# KiCad board demomatrix.kicad_pcb (continued)
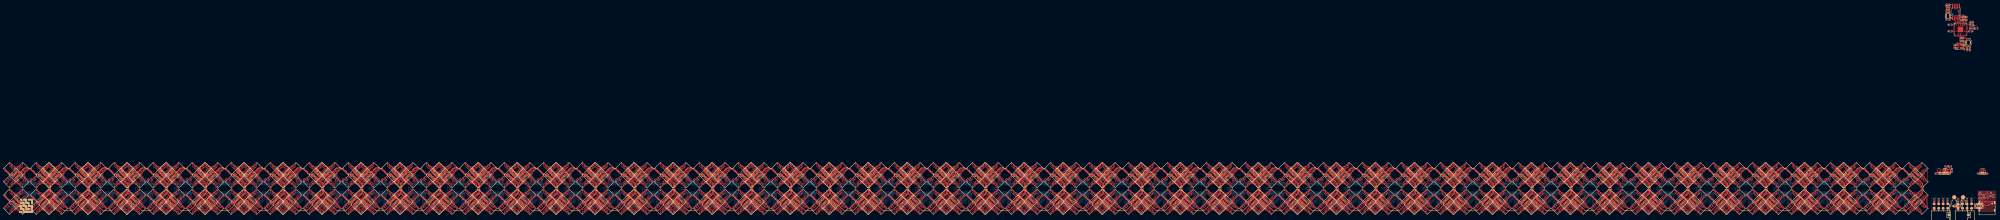
[diagram p0: board, top side]
## Library data of the parts (continued)
LED204 = -: LCSC: C22470444; Manufacturer: HONGLITRONIC); Partnumber: HL-5050RGBW-S1-A27; atopile_address: clusters[12].rows[1].pixels[0].rgbs[3].rgbw.package; atopile_subaddresses: [elec/layout/cluster2x2/cluster2x2.kicad_pcb:rows[1].pixels[0].rgbs[3].rgbw.package, elec/layout/pixel15hl5050/pixel15hl5050.kicad_pcb:rgbs[3].rgbw.package, elec/layout/row2/row2.kicad_pcb:pixels[0].rgbs[3].rgbw.package]
LED205 = -: LCSC: C22470444; Manufacturer: HONGLITRONIC); Partnumber: HL-5050RGBW-S1-A27; atopile_address: clusters[12].rows[1].pixels[1].rgbs[0].rgbw.package; atopile_subaddresses: [elec/layout/cluster2x2/cluster2x2.kicad_pcb:rows[1].pixels[1].rgbs[0].rgbw.package, elec/layout/pixel15hl5050/pixel15hl5050.kicad_pcb:rgbs[0].rgbw.package, elec/layout/row2/row2.kicad_pcb:pixels[1].rgbs[0].rgbw.package]
LED206 = -: LCSC: C22470444; Manufacturer: HONGLITRONIC); Partnumber: HL-5050RGBW-S1-A27; atopile_address: clusters[12].rows[1].pixels[1].rgbs[1].rgbw.package; atopile_subaddresses: [elec/layout/cluster2x2/cluster2x2.kicad_pcb:rows[1].pixels[1].rgbs[1].rgbw.package, elec/layout/pixel15hl5050/pixel15hl5050.kicad_pcb:rgbs[1].rgbw.package, elec/layout/row2/row2.kicad_pcb:pixels[1].rgbs[1].rgbw.package]
LED207 = -: LCSC: C22470444; Manufacturer: HONGLITRONIC); Partnumber: HL-5050RGBW-S1-A27; atopile_address: clusters[12].rows[1].pixels[1].rgbs[2].rgbw.package; atopile_subaddresses: [elec/layout/cluster2x2/cluster2x2.kicad_pcb:rows[1].pixels[1].rgbs[2].rgbw.package, elec/layout/pixel15hl5050/pixel15hl5050.kicad_pcb:rgbs[2].rgbw.package, elec/layout/row2/row2.kicad_pcb:pixels[1].rgbs[2].rgbw.package]
LED208 = -: LCSC: C22470444; Manufacturer: HONGLITRONIC); Partnumber: HL-5050RGBW-S1-A27; atopile_address: clusters[12].rows[1].pixels[1].rgbs[3].rgbw.package; atopile_subaddresses: [elec/layout/cluster2x2/cluster2x2.kicad_pcb:rows[1].pixels[1].rgbs[3].rgbw.package, elec/layout/pixel15hl5050/pixel15hl5050.kicad_pcb:rgbs[3].rgbw.package, elec/layout/row2/row2.kicad_pcb:pixels[1].rgbs[3].rgbw.package]
LED209 = -: LCSC: C22470444; Manufacturer: HONGLITRONIC); Partnumber: HL-5050RGBW-S1-A27; atopile_address: clusters[13].rows[0].pixels[0].rgbs[0].rgbw.package; atopile_subaddresses: [elec/layout/cluster2x2/cluster2x2.kicad_pcb:rows[0].pixels[0].rgbs[0].rgbw.package, elec/layout/pixel15hl5050/pixel15hl5050.kicad_pcb:rgbs[0].rgbw.package, elec/layout/row2/row2.kicad_pcb:pixels[0].rgbs[0].rgbw.package]
LED210 = -: LCSC: C22470444; Manufacturer: HONGLITRONIC); Partnumber: HL-5050RGBW-S1-A27; atopile_address: clusters[13].rows[0].pixels[0].rgbs[1].rgbw.package; atopile_subaddresses: [elec/layout/cluster2x2/cluster2x2.kicad_pcb:rows[0].pixels[0].rgbs[1].rgbw.package, elec/layout/pixel15hl5050/pixel15hl5050.kicad_pcb:rgbs[1].rgbw.package, elec/layout/row2/row2.kicad_pcb:pixels[0].rgbs[1].rgbw.package]
LED211 = -: LCSC: C22470444; Manufacturer: HONGLITRONIC); Partnumber: HL-5050RGBW-S1-A27; atopile_address: clusters[13].rows[0].pixels[0].rgbs[2].rgbw.package; atopile_subaddresses: [elec/layout/cluster2x2/cluster2x2.kicad_pcb:rows[0].pixels[0].rgbs[2].rgbw.package, elec/layout/pixel15hl5050/pixel15hl5050.kicad_pcb:rgbs[2].rgbw.package, elec/layout/row2/row2.kicad_pcb:pixels[0].rgbs[2].rgbw.package]
LED212 = -: LCSC: C22470444; Manufacturer: HONGLITRONIC); Partnumber: HL-5050RGBW-S1-A27; atopile_address: clusters[13].rows[0].pixels[0].rgbs[3].rgbw.package; atopile_subaddresses: [elec/layout/cluster2x2/cluster2x2.kicad_pcb:rows[0].pixels[0].rgbs[3].rgbw.package, elec/layout/pixel15hl5050/pixel15hl5050.kicad_pcb:rgbs[3].rgbw.package, elec/layout/row2/row2.kicad_pcb:pixels[0].rgbs[3].rgbw.package]
LED213 = -: LCSC: C22470444; Manufacturer: HONGLITRONIC); Partnumber: HL-5050RGBW-S1-A27; atopile_address: clusters[13].rows[0].pixels[1].rgbs[0].rgbw.package; atopile_subaddresses: [elec/layout/cluster2x2/cluster2x2.kicad_pcb:rows[0].pixels[1].rgbs[0].rgbw.package, elec/layout/pixel15hl5050/pixel15hl5050.kicad_pcb:rgbs[0].rgbw.package, elec/layout/row2/row2.kicad_pcb:pixels[1].rgbs[0].rgbw.package]
LED214 = -: LCSC: C22470444; Manufacturer: HONGLITRONIC); Partnumber: HL-5050RGBW-S1-A27; atopile_address: clusters[13].rows[0].pixels[1].rgbs[1].rgbw.package; atopile_subaddresses: [elec/layout/cluster2x2/cluster2x2.kicad_pcb:rows[0].pixels[1].rgbs[1].rgbw.package, elec/layout/pixel15hl5050/pixel15hl5050.kicad_pcb:rgbs[1].rgbw.package, elec/layout/row2/row2.kicad_pcb:pixels[1].rgbs[1].rgbw.package]
LED215 = -: LCSC: C22470444; Manufacturer: HONGLITRONIC); Partnumber: HL-5050RGBW-S1-A27; atopile_address: clusters[13].rows[0].pixels[1].rgbs[2].rgbw.package; atopile_subaddresses: [elec/layout/cluster2x2/cluster2x2.kicad_pcb:rows[0].pixels[1].rgbs[2].rgbw.package, elec/layout/pixel15hl5050/pixel15hl5050.kicad_pcb:rgbs[2].rgbw.package, elec/layout/row2/row2.kicad_pcb:pixels[1].rgbs[2].rgbw.package]
LED216 = -: LCSC: C22470444; Manufacturer: HONGLITRONIC); Partnumber: HL-5050RGBW-S1-A27; atopile_address: clusters[13].rows[0].pixels[1].rgbs[3].rgbw.package; atopile_subaddresses: [elec/layout/cluster2x2/cluster2x2.kicad_pcb:rows[0].pixels[1].rgbs[3].rgbw.package, elec/layout/pixel15hl5050/pixel15hl5050.kicad_pcb:rgbs[3].rgbw.package, elec/layout/row2/row2.kicad_pcb:pixels[1].rgbs[3].rgbw.package]
LED217 = -: LCSC: C22470444; Manufacturer: HONGLITRONIC); Partnumber: HL-5050RGBW-S1-A27; atopile_address: clusters[13].rows[1].pixels[0].rgbs[0].rgbw.package; atopile_subaddresses: [elec/layout/cluster2x2/cluster2x2.kicad_pcb:rows[1].pixels[0].rgbs[0].rgbw.package, elec/layout/pixel15hl5050/pixel15hl5050.kicad_pcb:rgbs[0].rgbw.package, elec/layout/row2/row2.kicad_pcb:pixels[0].rgbs[0].rgbw.package]
LED218 = -: LCSC: C22470444; Manufacturer: HONGLITRONIC); Partnumber: HL-5050RGBW-S1-A27; atopile_address: clusters[13].rows[1].pixels[0].rgbs[1].rgbw.package; atopile_subaddresses: [elec/layout/cluster2x2/cluster2x2.kicad_pcb:rows[1].pixels[0].rgbs[1].rgbw.package, elec/layout/pixel15hl5050/pixel15hl5050.kicad_pcb:rgbs[1].rgbw.package, elec/layout/row2/row2.kicad_pcb:pixels[0].rgbs[1].rgbw.package]
LED219 = -: LCSC: C22470444; Manufacturer: HONGLITRONIC); Partnumber: HL-5050RGBW-S1-A27; atopile_address: clusters[13].rows[1].pixels[0].rgbs[2].rgbw.package; atopile_subaddresses: [elec/layout/cluster2x2/cluster2x2.kicad_pcb:rows[1].pixels[0].rgbs[2].rgbw.package, elec/layout/pixel15hl5050/pixel15hl5050.kicad_pcb:rgbs[2].rgbw.package, elec/layout/row2/row2.kicad_pcb:pixels[0].rgbs[2].rgbw.package]
LED220 = -: LCSC: C22470444; Manufacturer: HONGLITRONIC); Partnumber: HL-5050RGBW-S1-A27; atopile_address: clusters[13].rows[1].pixels[0].rgbs[3].rgbw.package; atopile_subaddresses: [elec/layout/cluster2x2/cluster2x2.kicad_pcb:rows[1].pixels[0].rgbs[3].rgbw.package, elec/layout/pixel15hl5050/pixel15hl5050.kicad_pcb:rgbs[3].rgbw.package, elec/layout/row2/row2.kicad_pcb:pixels[0].rgbs[3].rgbw.package]
LED221 = -: LCSC: C22470444; Manufacturer: HONGLITRONIC); Partnumber: HL-5050RGBW-S1-A27; atopile_address: clusters[13].rows[1].pixels[1].rgbs[0].rgbw.package; atopile_subaddresses: [elec/layout/cluster2x2/cluster2x2.kicad_pcb:rows[1].pixels[1].rgbs[0].rgbw.package, elec/layout/pixel15hl5050/pixel15hl5050.kicad_pcb:rgbs[0].rgbw.package, elec/layout/row2/row2.kicad_pcb:pixels[1].rgbs[0].rgbw.package]
LED222 = -: LCSC: C22470444; Manufacturer: HONGLITRONIC); Partnumber: HL-5050RGBW-S1-A27; atopile_address: clusters[13].rows[1].pixels[1].rgbs[1].rgbw.package; atopile_subaddresses: [elec/layout/cluster2x2/cluster2x2.kicad_pcb:rows[1].pixels[1].rgbs[1].rgbw.package, elec/layout/pixel15hl5050/pixel15hl5050.kicad_pcb:rgbs[1].rgbw.package, elec/layout/row2/row2.kicad_pcb:pixels[1].rgbs[1].rgbw.package]
LED223 = -: LCSC: C22470444; Manufacturer: HONGLITRONIC); Partnumber: HL-5050RGBW-S1-A27; atopile_address: clusters[13].rows[1].pixels[1].rgbs[2].rgbw.package; atopile_subaddresses: [elec/layout/cluster2x2/cluster2x2.kicad_pcb:rows[1].pixels[1].rgbs[2].rgbw.package, elec/layout/pixel15hl5050/pixel15hl5050.kicad_pcb:rgbs[2].rgbw.package, elec/layout/row2/row2.kicad_pcb:pixels[1].rgbs[2].rgbw.package]
LED224 = -: LCSC: C22470444; Manufacturer: HONGLITRONIC); Partnumber: HL-5050RGBW-S1-A27; atopile_address: clusters[13].rows[1].pixels[1].rgbs[3].rgbw.package; atopile_subaddresses: [elec/layout/cluster2x2/cluster2x2.kicad_pcb:rows[1].pixels[1].rgbs[3].rgbw.package, elec/layout/pixel15hl5050/pixel15hl5050.kicad_pcb:rgbs[3].rgbw.package, elec/layout/row2/row2.kicad_pcb:pixels[1].rgbs[3].rgbw.package]
LED225 = -: LCSC: C22470444; Manufacturer: HONGLITRONIC); Partnumber: HL-5050RGBW-S1-A27; atopile_address: clusters[14].rows[0].pixels[0].rgbs[0].rgbw.package; atopile_subaddresses: [elec/layout/cluster2x2/cluster2x2.kicad_pcb:rows[0].pixels[0].rgbs[0].rgbw.package, elec/layout/pixel15hl5050/pixel15hl5050.kicad_pcb:rgbs[0].rgbw.package, elec/layout/row2/row2.kicad_pcb:pixels[0].rgbs[0].rgbw.package]
LED226 = -: LCSC: C22470444; Manufacturer: HONGLITRONIC); Partnumber: HL-5050RGBW-S1-A27; atopile_address: clusters[14].rows[0].pixels[0].rgbs[1].rgbw.package; atopile_subaddresses: [elec/layout/cluster2x2/cluster2x2.kicad_pcb:rows[0].pixels[0].rgbs[1].rgbw.package, elec/layout/pixel15hl5050/pixel15hl5050.kicad_pcb:rgbs[1].rgbw.package, elec/layout/row2/row2.kicad_pcb:pixels[0].rgbs[1].rgbw.package]
LED227 = -: LCSC: C22470444; Manufacturer: HONGLITRONIC); Partnumber: HL-5050RGBW-S1-A27; atopile_address: clusters[14].rows[0].pixels[0].rgbs[2].rgbw.package; atopile_subaddresses: [elec/layout/cluster2x2/cluster2x2.kicad_pcb:rows[0].pixels[0].rgbs[2].rgbw.package, elec/layout/pixel15hl5050/pixel15hl5050.kicad_pcb:rgbs[2].rgbw.package, elec/layout/row2/row2.kicad_pcb:pixels[0].rgbs[2].rgbw.package]
LED228 = -: LCSC: C22470444; Manufacturer: HONGLITRONIC); Partnumber: HL-5050RGBW-S1-A27; atopile_address: clusters[14].rows[0].pixels[0].rgbs[3].rgbw.package; atopile_subaddresses: [elec/layout/cluster2x2/cluster2x2.kicad_pcb:rows[0].pixels[0].rgbs[3].rgbw.package, elec/layout/pixel15hl5050/pixel15hl5050.kicad_pcb:rgbs[3].rgbw.package, elec/layout/row2/row2.kicad_pcb:pixels[0].rgbs[3].rgbw.package]
LED229 = -: LCSC: C22470444; Manufacturer: HONGLITRONIC); Partnumber: HL-5050RGBW-S1-A27; atopile_address: clusters[14].rows[0].pixels[1].rgbs[0].rgbw.package; atopile_subaddresses: [elec/layout/cluster2x2/cluster2x2.kicad_pcb:rows[0].pixels[1].rgbs[0].rgbw.package, elec/layout/pixel15hl5050/pixel15hl5050.kicad_pcb:rgbs[0].rgbw.package, elec/layout/row2/row2.kicad_pcb:pixels[1].rgbs[0].rgbw.package]
LED230 = -: LCSC: C22470444; Manufacturer: HONGLITRONIC); Partnumber: HL-5050RGBW-S1-A27; atopile_address: clusters[14].rows[0].pixels[1].rgbs[1].rgbw.package; atopile_subaddresses: [elec/layout/cluster2x2/cluster2x2.kicad_pcb:rows[0].pixels[1].rgbs[1].rgbw.package, elec/layout/pixel15hl5050/pixel15hl5050.kicad_pcb:rgbs[1].rgbw.package, elec/layout/row2/row2.kicad_pcb:pixels[1].rgbs[1].rgbw.package]
LED231 = -: LCSC: C22470444; Manufacturer: HONGLITRONIC); Partnumber: HL-5050RGBW-S1-A27; atopile_address: clusters[14].rows[0].pixels[1].rgbs[2].rgbw.package; atopile_subaddresses: [elec/layout/cluster2x2/cluster2x2.kicad_pcb:rows[0].pixels[1].rgbs[2].rgbw.package, elec/layout/pixel15hl5050/pixel15hl5050.kicad_pcb:rgbs[2].rgbw.package, elec/layout/row2/row2.kicad_pcb:pixels[1].rgbs[2].rgbw.package]
LED232 = -: LCSC: C22470444; Manufacturer: HONGLITRONIC); Partnumber: HL-5050RGBW-S1-A27; atopile_address: clusters[14].rows[0].pixels[1].rgbs[3].rgbw.package; atopile_subaddresses: [elec/layout/cluster2x2/cluster2x2.kicad_pcb:rows[0].pixels[1].rgbs[3].rgbw.package, elec/layout/pixel15hl5050/pixel15hl5050.kicad_pcb:rgbs[3].rgbw.package, elec/layout/row2/row2.kicad_pcb:pixels[1].rgbs[3].rgbw.package]
LED233 = -: LCSC: C22470444; Manufacturer: HONGLITRONIC); Partnumber: HL-5050RGBW-S1-A27; atopile_address: clusters[14].rows[1].pixels[0].rgbs[0].rgbw.package; atopile_subaddresses: [elec/layout/cluster2x2/cluster2x2.kicad_pcb:rows[1].pixels[0].rgbs[0].rgbw.package, elec/layout/pixel15hl5050/pixel15hl5050.kicad_pcb:rgbs[0].rgbw.package, elec/layout/row2/row2.kicad_pcb:pixels[0].rgbs[0].rgbw.package]
LED234 = -: LCSC: C22470444; Manufacturer: HONGLITRONIC); Partnumber: HL-5050RGBW-S1-A27; atopile_address: clusters[14].rows[1].pixels[0].rgbs[1].rgbw.package; atopile_subaddresses: [elec/layout/cluster2x2/cluster2x2.kicad_pcb:rows[1].pixels[0].rgbs[1].rgbw.package, elec/layout/pixel15hl5050/pixel15hl5050.kicad_pcb:rgbs[1].rgbw.package, elec/layout/row2/row2.kicad_pcb:pixels[0].rgbs[1].rgbw.package]
LED235 = -: LCSC: C22470444; Manufacturer: HONGLITRONIC); Partnumber: HL-5050RGBW-S1-A27; atopile_address: clusters[14].rows[1].pixels[0].rgbs[2].rgbw.package; atopile_subaddresses: [elec/layout/cluster2x2/cluster2x2.kicad_pcb:rows[1].pixels[0].rgbs[2].rgbw.package, elec/layout/pixel15hl5050/pixel15hl5050.kicad_pcb:rgbs[2].rgbw.package, elec/layout/row2/row2.kicad_pcb:pixels[0].rgbs[2].rgbw.package]
LED236 = -: LCSC: C22470444; Manufacturer: HONGLITRONIC); Partnumber: HL-5050RGBW-S1-A27; atopile_address: clusters[14].rows[1].pixels[0].rgbs[3].rgbw.package; atopile_subaddresses: [elec/layout/cluster2x2/cluster2x2.kicad_pcb:rows[1].pixels[0].rgbs[3].rgbw.package, elec/layout/pixel15hl5050/pixel15hl5050.kicad_pcb:rgbs[3].rgbw.package, elec/layout/row2/row2.kicad_pcb:pixels[0].rgbs[3].rgbw.package]
LED237 = -: LCSC: C22470444; Manufacturer: HONGLITRONIC); Partnumber: HL-5050RGBW-S1-A27; atopile_address: clusters[14].rows[1].pixels[1].rgbs[0].rgbw.package; atopile_subaddresses: [elec/layout/cluster2x2/cluster2x2.kicad_pcb:rows[1].pixels[1].rgbs[0].rgbw.package, elec/layout/pixel15hl5050/pixel15hl5050.kicad_pcb:rgbs[0].rgbw.package, elec/layout/row2/row2.kicad_pcb:pixels[1].rgbs[0].rgbw.package]
LED238 = -: LCSC: C22470444; Manufacturer: HONGLITRONIC); Partnumber: HL-5050RGBW-S1-A27; atopile_address: clusters[14].rows[1].pixels[1].rgbs[1].rgbw.package; atopile_subaddresses: [elec/layout/cluster2x2/cluster2x2.kicad_pcb:rows[1].pixels[1].rgbs[1].rgbw.package, elec/layout/pixel15hl5050/pixel15hl5050.kicad_pcb:rgbs[1].rgbw.package, elec/layout/row2/row2.kicad_pcb:pixels[1].rgbs[1].rgbw.package]
LED239 = -: LCSC: C22470444; Manufacturer: HONGLITRONIC); Partnumber: HL-5050RGBW-S1-A27; atopile_address: clusters[14].rows[1].pixels[1].rgbs[2].rgbw.package; atopile_subaddresses: [elec/layout/cluster2x2/cluster2x2.kicad_pcb:rows[1].pixels[1].rgbs[2].rgbw.package, elec/layout/pixel15hl5050/pixel15hl5050.kicad_pcb:rgbs[2].rgbw.package, elec/layout/row2/row2.kicad_pcb:pixels[1].rgbs[2].rgbw.package]
LED240 = -: LCSC: C22470444; Manufacturer: HONGLITRONIC); Partnumber: HL-5050RGBW-S1-A27; atopile_address: clusters[14].rows[1].pixels[1].rgbs[3].rgbw.package; atopile_subaddresses: [elec/layout/cluster2x2/cluster2x2.kicad_pcb:rows[1].pixels[1].rgbs[3].rgbw.package, elec/layout/pixel15hl5050/pixel15hl5050.kicad_pcb:rgbs[3].rgbw.package, elec/layout/row2/row2.kicad_pcb:pixels[1].rgbs[3].rgbw.package]
LED241 = -: LCSC: C22470444; Manufacturer: HONGLITRONIC); Partnumber: HL-5050RGBW-S1-A27; atopile_address: clusters[15].rows[0].pixels[0].rgbs[0].rgbw.package; atopile_subaddresses: [elec/layout/cluster2x2/cluster2x2.kicad_pcb:rows[0].pixels[0].rgbs[0].rgbw.package, elec/layout/pixel15hl5050/pixel15hl5050.kicad_pcb:rgbs[0].rgbw.package, elec/layout/row2/row2.kicad_pcb:pixels[0].rgbs[0].rgbw.package]
LED242 = -: LCSC: C22470444; Manufacturer: HONGLITRONIC); Partnumber: HL-5050RGBW-S1-A27; atopile_address: clusters[15].rows[0].pixels[0].rgbs[1].rgbw.package; atopile_subaddresses: [elec/layout/cluster2x2/cluster2x2.kicad_pcb:rows[0].pixels[0].rgbs[1].rgbw.package, elec/layout/pixel15hl5050/pixel15hl5050.kicad_pcb:rgbs[1].rgbw.package, elec/layout/row2/row2.kicad_pcb:pixels[0].rgbs[1].rgbw.package]
LED243 = -: LCSC: C22470444; Manufacturer: HONGLITRONIC); Partnumber: HL-5050RGBW-S1-A27; atopile_address: clusters[15].rows[0].pixels[0].rgbs[2].rgbw.package; atopile_subaddresses: [elec/layout/cluster2x2/cluster2x2.kicad_pcb:rows[0].pixels[0].rgbs[2].rgbw.package, elec/layout/pixel15hl5050/pixel15hl5050.kicad_pcb:rgbs[2].rgbw.package, elec/layout/row2/row2.kicad_pcb:pixels[0].rgbs[2].rgbw.package]
LED244 = -: LCSC: C22470444; Manufacturer: HONGLITRONIC); Partnumber: HL-5050RGBW-S1-A27; atopile_address: clusters[15].rows[0].pixels[0].rgbs[3].rgbw.package; atopile_subaddresses: [elec/layout/cluster2x2/cluster2x2.kicad_pcb:rows[0].pixels[0].rgbs[3].rgbw.package, elec/layout/pixel15hl5050/pixel15hl5050.kicad_pcb:rgbs[3].rgbw.package, elec/layout/row2/row2.kicad_pcb:pixels[0].rgbs[3].rgbw.package]
LED245 = -: LCSC: C22470444; Manufacturer: HONGLITRONIC); Partnumber: HL-5050RGBW-S1-A27; atopile_address: clusters[15].rows[0].pixels[1].rgbs[0].rgbw.package; atopile_subaddresses: [elec/layout/cluster2x2/cluster2x2.kicad_pcb:rows[0].pixels[1].rgbs[0].rgbw.package, elec/layout/pixel15hl5050/pixel15hl5050.kicad_pcb:rgbs[0].rgbw.package, elec/layout/row2/row2.kicad_pcb:pixels[1].rgbs[0].rgbw.package]
LED246 = -: LCSC: C22470444; Manufacturer: HONGLITRONIC); Partnumber: HL-5050RGBW-S1-A27; atopile_address: clusters[15].rows[0].pixels[1].rgbs[1].rgbw.package; atopile_subaddresses: [elec/layout/cluster2x2/cluster2x2.kicad_pcb:rows[0].pixels[1].rgbs[1].rgbw.package, elec/layout/pixel15hl5050/pixel15hl5050.kicad_pcb:rgbs[1].rgbw.package, elec/layout/row2/row2.kicad_pcb:pixels[1].rgbs[1].rgbw.package]
LED247 = -: LCSC: C22470444; Manufacturer: HONGLITRONIC); Partnumber: HL-5050RGBW-S1-A27; atopile_address: clusters[15].rows[0].pixels[1].rgbs[2].rgbw.package; atopile_subaddresses: [elec/layout/cluster2x2/cluster2x2.kicad_pcb:rows[0].pixels[1].rgbs[2].rgbw.package, elec/layout/pixel15hl5050/pixel15hl5050.kicad_pcb:rgbs[2].rgbw.package, elec/layout/row2/row2.kicad_pcb:pixels[1].rgbs[2].rgbw.package]
LED248 = -: LCSC: C22470444; Manufacturer: HONGLITRONIC); Partnumber: HL-5050RGBW-S1-A27; atopile_address: clusters[15].rows[0].pixels[1].rgbs[3].rgbw.package; atopile_subaddresses: [elec/layout/cluster2x2/cluster2x2.kicad_pcb:rows[0].pixels[1].rgbs[3].rgbw.package, elec/layout/pixel15hl5050/pixel15hl5050.kicad_pcb:rgbs[3].rgbw.package, elec/layout/row2/row2.kicad_pcb:pixels[1].rgbs[3].rgbw.package]
LED249 = -: LCSC: C22470444; Manufacturer: HONGLITRONIC); Partnumber: HL-5050RGBW-S1-A27; atopile_address: clusters[15].rows[1].pixels[0].rgbs[0].rgbw.package; atopile_subaddresses: [elec/layout/cluster2x2/cluster2x2.kicad_pcb:rows[1].pixels[0].rgbs[0].rgbw.package, elec/layout/pixel15hl5050/pixel15hl5050.kicad_pcb:rgbs[0].rgbw.package, elec/layout/row2/row2.kicad_pcb:pixels[0].rgbs[0].rgbw.package]
LED250 = -: LCSC: C22470444; Manufacturer: HONGLITRONIC); Partnumber: HL-5050RGBW-S1-A27; atopile_address: clusters[15].rows[1].pixels[0].rgbs[1].rgbw.package; atopile_subaddresses: [elec/layout/cluster2x2/cluster2x2.kicad_pcb:rows[1].pixels[0].rgbs[1].rgbw.package, elec/layout/pixel15hl5050/pixel15hl5050.kicad_pcb:rgbs[1].rgbw.package, elec/layout/row2/row2.kicad_pcb:pixels[0].rgbs[1].rgbw.package]
LED251 = -: LCSC: C22470444; Manufacturer: HONGLITRONIC); Partnumber: HL-5050RGBW-S1-A27; atopile_address: clusters[15].rows[1].pixels[0].rgbs[2].rgbw.package; atopile_subaddresses: [elec/layout/cluster2x2/cluster2x2.kicad_pcb:rows[1].pixels[0].rgbs[2].rgbw.package, elec/layout/pixel15hl5050/pixel15hl5050.kicad_pcb:rgbs[2].rgbw.package, elec/layout/row2/row2.kicad_pcb:pixels[0].rgbs[2].rgbw.package]
LED252 = -: LCSC: C22470444; Manufacturer: HONGLITRONIC); Partnumber: HL-5050RGBW-S1-A27; atopile_address: clusters[15].rows[1].pixels[0].rgbs[3].rgbw.package; atopile_subaddresses: [elec/layout/cluster2x2/cluster2x2.kicad_pcb:rows[1].pixels[0].rgbs[3].rgbw.package, elec/layout/pixel15hl5050/pixel15hl5050.kicad_pcb:rgbs[3].rgbw.package, elec/layout/row2/row2.kicad_pcb:pixels[0].rgbs[3].rgbw.package]
LED253 = -: LCSC: C22470444; Manufacturer: HONGLITRONIC); Partnumber: HL-5050RGBW-S1-A27; atopile_address: clusters[15].rows[1].pixels[1].rgbs[0].rgbw.package; atopile_subaddresses: [elec/layout/cluster2x2/cluster2x2.kicad_pcb:rows[1].pixels[1].rgbs[0].rgbw.package, elec/layout/pixel15hl5050/pixel15hl5050.kicad_pcb:rgbs[0].rgbw.package, elec/layout/row2/row2.kicad_pcb:pixels[1].rgbs[0].rgbw.package]
LED254 = -: LCSC: C22470444; Manufacturer: HONGLITRONIC); Partnumber: HL-5050RGBW-S1-A27; atopile_address: clusters[15].rows[1].pixels[1].rgbs[1].rgbw.package; atopile_subaddresses: [elec/layout/cluster2x2/cluster2x2.kicad_pcb:rows[1].pixels[1].rgbs[1].rgbw.package, elec/layout/pixel15hl5050/pixel15hl5050.kicad_pcb:rgbs[1].rgbw.package, elec/layout/row2/row2.kicad_pcb:pixels[1].rgbs[1].rgbw.package]
LED255 = -: LCSC: C22470444; Manufacturer: HONGLITRONIC); Partnumber: HL-5050RGBW-S1-A27; atopile_address: clusters[15].rows[1].pixels[1].rgbs[2].rgbw.package; atopile_subaddresses: [elec/layout/cluster2x2/cluster2x2.kicad_pcb:rows[1].pixels[1].rgbs[2].rgbw.package, elec/layout/pixel15hl5050/pixel15hl5050.kicad_pcb:rgbs[2].rgbw.package, elec/layout/row2/row2.kicad_pcb:pixels[1].rgbs[2].rgbw.package]
LED256 = -: LCSC: C22470444; Manufacturer: HONGLITRONIC); Partnumber: HL-5050RGBW-S1-A27; atopile_address: clusters[15].rows[1].pixels[1].rgbs[3].rgbw.package; atopile_subaddresses: [elec/layout/cluster2x2/cluster2x2.kicad_pcb:rows[1].pixels[1].rgbs[3].rgbw.package, elec/layout/pixel15hl5050/pixel15hl5050.kicad_pcb:rgbs[3].rgbw.package, elec/layout/row2/row2.kicad_pcb:pixels[1].rgbs[3].rgbw.package]
LED257 = -: LCSC: C22470444; Manufacturer: HONGLITRONIC); Partnumber: HL-5050RGBW-S1-A27; atopile_address: clusters[16].rows[0].pixels[0].rgbs[0].rgbw.package; atopile_subaddresses: [elec/layout/cluster2x2/cluster2x2.kicad_pcb:rows[0].pixels[0].rgbs[0].rgbw.package, elec/layout/pixel15hl5050/pixel15hl5050.kicad_pcb:rgbs[0].rgbw.package, elec/layout/row2/row2.kicad_pcb:pixels[0].rgbs[0].rgbw.package]
LED258 = -: LCSC: C22470444; Manufacturer: HONGLITRONIC); Partnumber: HL-5050RGBW-S1-A27; atopile_address: clusters[16].rows[0].pixels[0].rgbs[1].rgbw.package; atopile_subaddresses: [elec/layout/cluster2x2/cluster2x2.kicad_pcb:rows[0].pixels[0].rgbs[1].rgbw.package, elec/layout/pixel15hl5050/pixel15hl5050.kicad_pcb:rgbs[1].rgbw.package, elec/layout/row2/row2.kicad_pcb:pixels[0].rgbs[1].rgbw.package]
LED259 = -: LCSC: C22470444; Manufacturer: HONGLITRONIC); Partnumber: HL-5050RGBW-S1-A27; atopile_address: clusters[16].rows[0].pixels[0].rgbs[2].rgbw.package; atopile_subaddresses: [elec/layout/cluster2x2/cluster2x2.kicad_pcb:rows[0].pixels[0].rgbs[2].rgbw.package, elec/layout/pixel15hl5050/pixel15hl5050.kicad_pcb:rgbs[2].rgbw.package, elec/layout/row2/row2.kicad_pcb:pixels[0].rgbs[2].rgbw.package]
LED260 = -: LCSC: C22470444; Manufacturer: HONGLITRONIC); Partnumber: HL-5050RGBW-S1-A27; atopile_address: clusters[16].rows[0].pixels[0].rgbs[3].rgbw.package; atopile_subaddresses: [elec/layout/cluster2x2/cluster2x2.kicad_pcb:rows[0].pixels[0].rgbs[3].rgbw.package, elec/layout/pixel15hl5050/pixel15hl5050.kicad_pcb:rgbs[3].rgbw.package, elec/layout/row2/row2.kicad_pcb:pixels[0].rgbs[3].rgbw.package]
LED261 = -: LCSC: C22470444; Manufacturer: HONGLITRONIC); Partnumber: HL-5050RGBW-S1-A27; atopile_address: clusters[16].rows[0].pixels[1].rgbs[0].rgbw.package; atopile_subaddresses: [elec/layout/cluster2x2/cluster2x2.kicad_pcb:rows[0].pixels[1].rgbs[0].rgbw.package, elec/layout/pixel15hl5050/pixel15hl5050.kicad_pcb:rgbs[0].rgbw.package, elec/layout/row2/row2.kicad_pcb:pixels[1].rgbs[0].rgbw.package]
LED262 = -: LCSC: C22470444; Manufacturer: HONGLITRONIC); Partnumber: HL-5050RGBW-S1-A27; atopile_address: clusters[16].rows[0].pixels[1].rgbs[1].rgbw.package; atopile_subaddresses: [elec/layout/cluster2x2/cluster2x2.kicad_pcb:rows[0].pixels[1].rgbs[1].rgbw.package, elec/layout/pixel15hl5050/pixel15hl5050.kicad_pcb:rgbs[1].rgbw.package, elec/layout/row2/row2.kicad_pcb:pixels[1].rgbs[1].rgbw.package]
LED263 = -: LCSC: C22470444; Manufacturer: HONGLITRONIC); Partnumber: HL-5050RGBW-S1-A27; atopile_address: clusters[16].rows[0].pixels[1].rgbs[2].rgbw.package; atopile_subaddresses: [elec/layout/cluster2x2/cluster2x2.kicad_pcb:rows[0].pixels[1].rgbs[2].rgbw.package, elec/layout/pixel15hl5050/pixel15hl5050.kicad_pcb:rgbs[2].rgbw.package, elec/layout/row2/row2.kicad_pcb:pixels[1].rgbs[2].rgbw.package]
LED264 = -: LCSC: C22470444; Manufacturer: HONGLITRONIC); Partnumber: HL-5050RGBW-S1-A27; atopile_address: clusters[16].rows[0].pixels[1].rgbs[3].rgbw.package; atopile_subaddresses: [elec/layout/cluster2x2/cluster2x2.kicad_pcb:rows[0].pixels[1].rgbs[3].rgbw.package, elec/layout/pixel15hl5050/pixel15hl5050.kicad_pcb:rgbs[3].rgbw.package, elec/layout/row2/row2.kicad_pcb:pixels[1].rgbs[3].rgbw.package]
LED265 = -: LCSC: C22470444; Manufacturer: HONGLITRONIC); Partnumber: HL-5050RGBW-S1-A27; atopile_address: clusters[16].rows[1].pixels[0].rgbs[0].rgbw.package; atopile_subaddresses: [elec/layout/cluster2x2/cluster2x2.kicad_pcb:rows[1].pixels[0].rgbs[0].rgbw.package, elec/layout/pixel15hl5050/pixel15hl5050.kicad_pcb:rgbs[0].rgbw.package, elec/layout/row2/row2.kicad_pcb:pixels[0].rgbs[0].rgbw.package]